# Altium PCB 整板_大板_one.PcbDoc (part 2 of 3)
Units mil, origin at the board's own origin, x right, y up, seen from the top; angles counter-clockwise.
Board outline 19488.19 x 7322.84 mil, 2 copper layers (Top Layer, Bottom Layer); 297 components, 275 nets, 1817 pads, 745 vias.
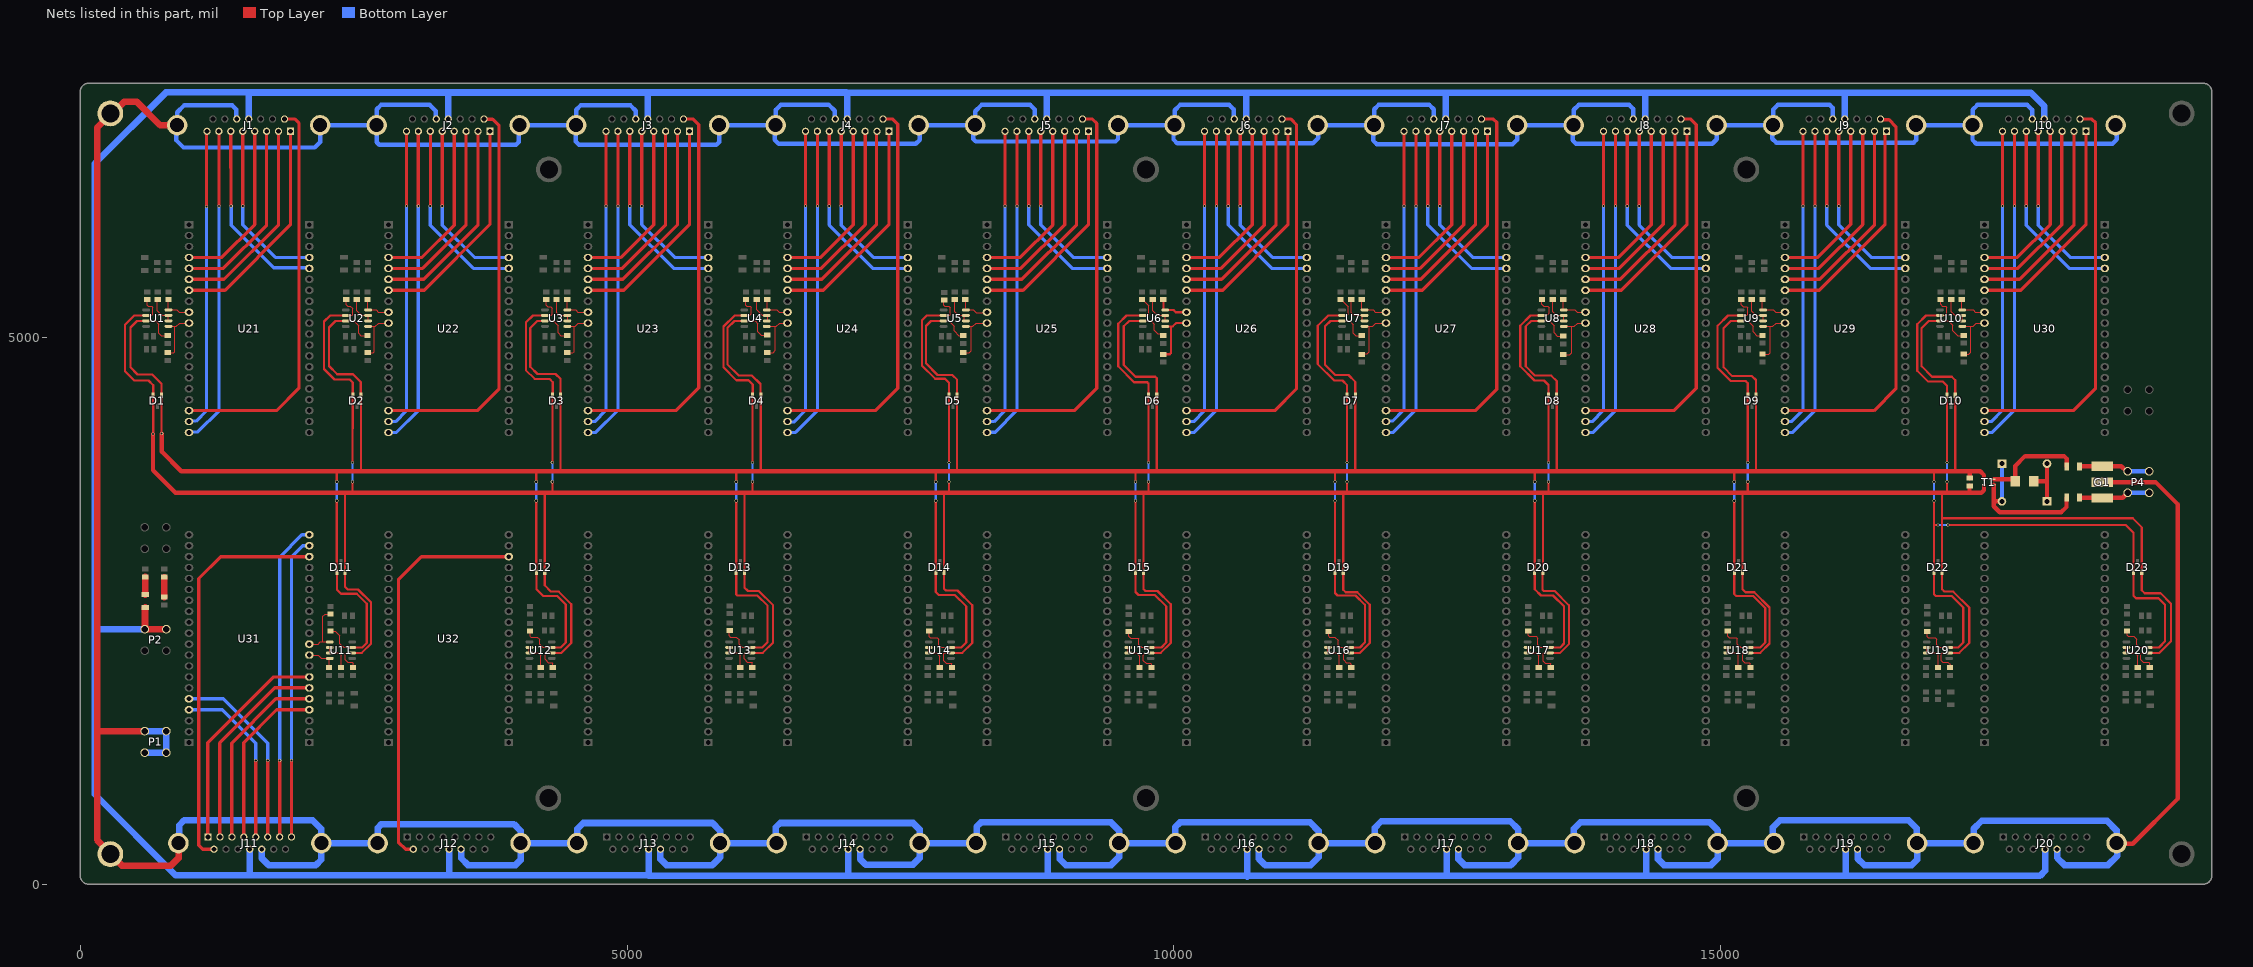
[diagram p2: the nets of this part, all layers, seen from the top]

## Via types
v1: diameter 25, hole 20, Top Layer to Bottom Layer, 462 vias
v2: diameter 30, hole 20, Top Layer to Bottom Layer, 281 vias
v3: diameter 40, hole 25, Top Layer to Bottom Layer, 1 vias
v4: diameter 25, hole 15, Top Layer to Bottom Layer, 1 vias

## Nets (pads, with @x,y where several pads share a name; then routed paths per layer and width w, separated by ;. In a path a pad name is that pad's centre, name@x,y a point inside that pad or via, vN(x,y) a via of type N, cw(c..) or ccw(c..) an arc to the next point about the centre after c; other vN are vias at no path point) (continued)
IN+: J1.12 J2.12 J3.12 J4.12 J5.12 J6.12 J7.12 J8.12 J9.12 J10.12 J11.12 J12.12 J13.12 J14.12 J15.12 J16.12 J17.12 J18.12 J19.12 J20.12 P2.2 RD2.2 | length 47564.4
  Top Layer w60: RD2.2@595,2530 592.78,2527.78 592.78,2333.86 P2.2@590.55,2331.63 P2.2@787.4,2331.63
  Bottom Layer w60: P2.2@590.55,2331.63 135.37,2331.63 133,2334 ; J1.12@1540.89,6995 1540.89,7238 3364.78,7238 ; 1540.89,7239 784,7239 133,6588 133,2725.81 133,2334 ; J11.12@1550.95,320 1550.95,81 ; J2.12@3364.78,6995 3364.78,7238 ; J12.12@3373,320 3373,81 ; J3.12@5188.67,6995 5188.67,7238 ; 5196.89,78 7020.78,78 ; J13.12@5196.89,320 5196.89,81 3373,81 ; 7003.11,7238 5188.67,7238 ; J4.12@7012.56,6995 7012.56,7237 8836.44,7237 ; J14.12@7020.78,320 7020.78,78 ; J5.12@8836.44,6995 8836.44,7237 ; J15.12@8844.67,320 8844.67,78 7020.78,78 ; 8845,76 10646.11,76 ; J6.12@10660.33,6995 10660.33,7237 ; 10668.55,70 J16.12@10668.55,320 ; 10674.55,76 12492.44,76 ; J7.12@12484.22,6995 12484.22,7237 ; J17.12@12492.44,320 12492.44,76 ; J8.12@14308.11,6995 14308.11,7237 ; J18.12@14316.33,320 14316.33,76 ; J9.12@16132,6995 16132,7237 ; J19.12@16140.22,320 16140.22,76 ; J10.12@17955.89,6995 17957.14,6996.25 17957.14,7112.14 17832.28,7237 16132,7237 ; J20.12@17964.11,320 17964.11,124.11 17916,76 16140.22,76 ; 133,2334 133,822 874,81 1550.95,81 ; 1550.95,81 3373,81 ; 3364.78,7238 5188.67,7238 ; 8836.44,7237 10660.33,7237 ; 10660.33,7237 12484.22,7237 ; 12484.22,7237 14308.11,7237 ; 12492.44,76 14316.33,76 ; 14308.11,7237 16132,7237 ; 14316.33,76 16140.22,76
Net1_A: 1.A RD1.1 | length 181.3
  Top Layer w60: RD1.1@770,2623.7 1.A@770,2804.96
Net2_A: 2.A RD2.1 | length 162.6
  Top Layer w60: RD2.1@595,2647.32 2.A@595,2809.96
NetD16_1: D16.1 D17.1 D18.2 | length 466.3
  Top Layer w40: D16.1@17859.92,3685 17981.18,3685 ; D18.2@17981.18,3500 17981.18,3685 ; D17.1@17981.18,3845 17981.18,3685
NetD16_2: D16.2 R76.1 T1.4 | length 931.4
  Top Layer w40: T1.4@17495.28,3702.17 17673.46,3702.17 D16.2@17690.63,3685 17690.63,3824.09 17780.91,3914.37 18136.84,3914.37 18160.28,3890.94 18160.28,3819.71 R76.1@18161.61,3818.37
NetD17_2: D17.2 D18.1 R77.1 T1.3 | length 1408.9
  Top Layer w40: T1.3@17495.28,3650.98 17495.28,3500 ; D18.1@17569.37,3500 17495.28,3500 ; R77.1@18161.61,3534.78 18159.37,3532.54 18159.37,3449.09 18110.28,3400 17550.28,3400 17495.28,3455 17495.28,3500
  Bottom Layer w40: D18.1@17569.37,3500 D17.2@17569.37,3845
NetR2_1: R2.1 U1.2 U1.3 | length 271
  Top Layer w10: R2.1@705,5345 705,5245 750,5200 U1.3@807.36,5200 U1.2@807.36,5150
NetR5_1: R5.1 U2.2 U2.3 | length 271
  Top Layer w10: R5.1@2530,5345 2530,5245 2575,5200 U2.3@2632.36,5200 U2.2@2632.36,5150
NetR8_1: R8.1 U3.2 U3.3 | length 282.7
  Top Layer w10: R8.1@4355,5344.96 4355,5225 4380,5200 4457.36,5200 U3.2@4457.36,5150
NetR11_1: R11.1 U4.2 U4.3 | length 268.1
  Top Layer w10: R11.1@6185,5345 6185,5250 6235,5200 6287.36,5200 U4.2@6287.36,5150
NetR14_1: R14.1 U5.2 U5.3 | length 267.4
  Top Layer w10: R14.1@7979,5344.96 7995,5328.96 7995,5235 8030,5200 8081.36,5200 U5.2@8081.36,5150
NetR27_1: R27.1 U6.2 U6.3 | length 283.5
  Top Layer w10: R27.1@9805,5344.96 9805,5245 9850,5200 U6.3@9919.86,5200 U6.2@9919.86,5150
NetR30_1: R30.1 U7.2 U7.3 | length 282.7
  Top Layer w10: R30.1@11620,5344.96 11620,5225 11645,5200 U7.3@11722.36,5200 ; U7.2@11722.36,5145 11722.36,5150 U7.3@11722.36,5195
NetR33_1: R33.1 U8.2 U8.3 | length 277.6
  Top Layer w10: R33.1@13461.25,5344.96 13461.25,5233.75 13495,5200 U8.3@13563.61,5200 U8.2@13563.61,5150
NetR36_1: R36.1 U9.2 U9.3 | length 275.7
  Top Layer w10: R36.1@15283.12,5344.96 15283.12,5236.88 15320,5200 U9.3@15385.49,5200 U9.2@15385.49,5150
NetR39_1: R39.1 U10.2 U10.3 | length 276.8
  Top Layer w10: R39.1@17105,5344.96 17105,5235 17140,5200 U10.3@17207.36,5200 U10.2@17207.36,5150
NetR52_1: R52.1 U11.2 U11.3 | length 275.6
  Top Layer w10: U11.2@2282.64,2165 U11.3@2282.64,2115 2365,2115 2385,2095 R52.1@2385,1980.04
NetR55_1: R55.1 U12.2 U12.3 | length 275.6
  Top Layer w10: U12.2@4107.64,2165 U12.3@4107.64,2115 4190,2115 4210,2095 R55.1@4210,1980.04
NetR58_1: R58.1 U13.2 U13.3 | length 275.6
  Top Layer w10: U13.2@5932.64,2165 U13.3@5932.64,2115 6015,2115 6035,2095 R58.1@6035,1980.04
NetR61_1: R61.1 U14.2 U14.3 | length 269.7
  Top Layer w10: U14.2@7757.64,2165 U14.3@7757.64,2115 7830,2115 7860,2085 R61.1@7860,1980.04
NetR64_1: R64.1 U15.2 U15.3 | length 269.7
  Top Layer w10: U15.2@9582.64,2165 U15.3@9582.64,2115 9655,2115 9685,2085 R64.1@9685,1980.04
NetR79_1: R79.1 U16.2 U16.3 | length 272.7
  Top Layer w10: U16.2@11407.64,2165 U16.3@11407.64,2115 11485,2115 11510,2090 R79.1@11510,1980.04
NetR82_1: R82.1 U17.2 U17.3 | length 272.7
  Top Layer w10: U17.2@13232.64,2165 U17.3@13232.64,2115 13310,2115 13335,2090 R82.1@13335,1980.04
NetR85_1: R85.1 U18.2 U18.3 | length 278.5
  Top Layer w10: U18.2@15057.64,2165 U18.3@15057.64,2115 15145,2115 15160,2100 R85.1@15160,1980.04
NetR88_1: R88.1 U19.2 U19.3 | length 281.5
  Top Layer w10: U19.2@16882.64,2165 U19.3@16882.64,2115 16975,2115 16985,2105 R88.1@16985,1980.04
NetR91_1: R91.1 U20.2 U20.3 | length 272.7
  Top Layer w10: U20.2@18707.64,2165 U20.3@18707.64,2115 18785,2115 18810,2090 R91.1@18810,1980.04
PE: G1.2 J1.13 J1.16 J1.17 J2.13 J2.16 J2.17 J3.13 J3.16 J3.17 J4.13 J4.16 J4.17 J5.13 J5.16 J5.17 J6.13 J6.16 J6.17 J7.13 J7.16 J7.17 J8.13 J8.16 J8.17 J9.13 J9.16 J9.17 J10.13 J10.16 J10.17 J11.13 J11.16 J11.17 J12.13 J12.16 J12.17 J13.13 J13.16 J13.17 J14.13 J14.16 J14.17 J15.13 J15.16 J15.17 J16.13 J16.16 J16.17 J17.13 J17.16 J17.17 J18.13 J18.16 J18.17 J19.13 J19.16 J19.17 J20.13 J20.16 J20.17 P1.1 P1.2 pad.0@275.59,275.59 pad.0@275.59,7047.24 | length 71715.9
  Top Layer w40: pad.0@275.59,7035.59 pad.0@275.59,7047.24 pad.0@294.17,7065.83 ; G1.2@18485.28,3676.57 18973.43,3676.57 19175,3475 19175,780 18765,370 18623.75,370 J20.16@18617.85,375.91
  Top Layer w60: pad.0@275.59,7035.59 155,6915 155,1410 ; pad.0@294.17,7065.83 315.83,7065.83 405,7155 515,7155 730.91,6939.09 J1.16@887.15,6939.09 ; P1.2@590.55,1399.96 165.04,1399.96 155,1410 ; J11.17@897.71,375.91 900,373.62 900,240 830,170 381.18,170 pad.0@275.59,275.59 275.59,284.41 155,405 155,1410
  Bottom Layer w40: J1.13@1431.83,6995 1426.76,7000.08 1426.76,7083.24 1390,7120 950,7120 887.15,7057.15 J1.16@887.15,6939.09 880,6931.94 880,6800 945,6735 2143.73,6735 2194.12,6785.39 J1.17@2194.12,6939.09 J2.16@2711.04,6939.09 ; J2.13@3255.72,6995 3250.65,7000.08 3250.65,7069.35 3195,7125 2750,7125 2711.04,7086.04 J2.16@2711.04,6939.09 ; J3.13@5079.61,6995 5079.61,7071.57 5031.18,7120 4575,7120 4534.93,7079.93 J3.16@4534.93,6939.09 ; J4.13@6903.5,6995 6898.42,7000.08 6898.42,7071.57 6844.99,7125 6405,7125 6358.82,7078.82 J4.16@6358.82,6939.09 ; J5.13@8727.39,6995 8727.39,7082.61 8685,7125 8240,7125 8182.71,7067.71 J5.16@8182.71,6939.09 ; J6.13@10551.28,6995 10546.2,7000.08 10546.2,7083.8 10505,7125 10055,7125 10006.59,7076.59 J6.16@10006.59,6939.09 ; J7.13@12375.17,6995 12375,6995.17 12375,7085 12335,7125 11870,7125 11830.48,7085.48 J7.16@11830.48,6939.09 ; J8.13@14199.06,6995 14199.06,7088.27 14162.32,7125 13700,7125 13654.37,7079.37 J8.16@13654.37,6939.09 ; J9.13@16022.95,6995 16022.95,7097.05 15995,7125 15520,7125 15478.26,7083.26 J9.16@15478.26,6939.09 ; J10.13@17846.83,6995 17845,6996.83 17845,7080 17800,7125 17345,7125 17302.15,7082.15 J10.16@17302.15,6939.09 ; J10.17@18609.12,6939.09 18620,6928.22 18620,6810 18580,6770 17335,6770 17300,6805 17300,6936.94 J10.16@17302.15,6939.09 ; J2.16@2711.04,6939.09 2711.04,6783.96 2735,6760 3985,6760 4010.39,6785.39 4010.39,6931.48 J2.17@4018.01,6939.09 J3.16@4534.93,6939.09 ; J3.16@4534.93,6939.09 4530,6934.17 4530,6790 4560,6760 5816.51,6760 5841.9,6785.39 J3.17@5841.9,6939.09 J4.16@6358.82,6939.09 ; J4.16@6358.82,6939.09 6350,6930.28 6350,6805 6385,6770 7640,6770 7675,6805 7675,6929.88 J4.17@7665.79,6939.09 J5.16@8182.71,6939.09 ; J5.16@8182.71,6939.09 8165,6921.39 8165,6813.43 8188.43,6790 9465,6790 9488.43,6813.43 9488.43,6937.85 J5.17@9489.68,6939.09 J6.16@10006.59,6939.09 ; J6.16@10006.59,6939.09 9995,6927.5 9995,6808.43 10028.43,6775 11270,6775 11320,6825 11320,6932.66 J6.17@11313.57,6939.09 J7.16@11830.48,6939.09 ; J7.16@11830.48,6939.09 11820,6928.61 11820,6800 11855,6765 13095,6765 13137.46,6807.46 J7.17@13137.46,6939.09 J8.16@13654.37,6939.09 ; J8.16@13654.37,6939.09 13645,6929.72 13645,6800 13675,6770 14920,6770 14961.35,6811.35 J8.17@14961.35,6939.09 J9.16@15478.26,6939.09 ; J9.16@15478.26,6939.09 15470,6930.83 15470,6815 15505,6780 16761.8,6780 16785.23,6803.43 J9.17@16785.23,6939.09 J10.16@17302.15,6939.09
  Bottom Layer w60: P1.1@590.55,1203.11 P1.1@787.4,1203.11 P1.2@787.4,1399.96 P1.2@590.55,1399.96 ; J11.17@897.71,375.91 905,383.19 905,540 950,585 2125,585 2204.68,505.32 J11.16@2204.68,375.91 ; J11.13@1660,320 1658.75,318.75 1658.75,238.75 1722.5,175 2155,175 2204.68,224.68 J11.16@2204.68,375.91 ; J12.13@3482.05,320 3483.3,318.75 3483.3,236.7 3545,175 3980,175 4026.74,221.74 J12.16@4026.74,375.91 ; J13.13@5305.94,320 5305,319.06 5305,230 5360,175 5780,175 5850.63,245.63 J13.16@5850.63,375.91 ; J14.13@7129.83,320 7130,319.83 7130,230 7180,180 7615,180 7674.52,239.52 J14.16@7674.52,375.91 ; J15.13@8953.72,320 8954.97,318.75 8954.97,230.03 9010,175 9425,175 9498.4,248.4 J15.16@9498.4,375.91 ; J16.13@10777.61,320 10776.36,318.75 10776.36,231.36 10832.72,175 11250,175 11322.29,247.29 J16.16@11322.29,375.91 ; J17.13@12601.5,320 12600.25,318.75 12600.25,230.25 12655.5,175 13080,175 13146.18,241.18 J17.16@13146.18,375.91 ; J18.13@14425.39,320 14425,319.61 14425,230 14480,175 14910,175 14970.07,235.07 J18.16@14970.07,375.91 ; J19.13@16249.28,320 16250,319.28 16250,235 16310,175 16745,175 16793.96,223.96 J19.16@16793.96,375.91 ; J20.13@18073.16,320 18074.41,318.75 18074.41,240.59 18140,175 18540,175 18625,260 18625,368.75 J20.16@18617.85,375.91 18617.85,492.15 18530,580 17385,580 17310,505 17310,376.78 J20.17@17310.88,375.91 J19.16@16793.96,375.91 ; J11.16@2204.68,375.91 J12.17@2719.77,375.91 2720,376.14 2720,514.85 2755.15,550 3965,550 4026.74,488.26 J12.16@4026.74,375.91 ; J12.16@4026.74,375.91 J13.17@4543.65,375.91 4545,377.25 4545,505 4600,560 5780,560 5850.63,489.37 J13.16@5850.63,375.91 ; J13.16@5850.63,375.91 J14.17@6367.54,375.91 6360,383.45 6360,520 6400,560 7615,560 7674.52,500.48 J14.16@7674.52,375.91 ; J14.16@7674.52,375.91 J15.17@8191.43,375.91 8195,379.47 8195,525 8235,565 9425,565 9498.4,491.6 J15.16@9498.4,375.91 ; J15.16@9498.4,375.91 J16.17@10015.32,375.91 10010,381.23 10010,520 10055,565 11245,565 11322.29,487.71 J16.16@11322.29,375.91 ; J16.16@11322.29,375.91 J17.17@11839.21,375.91 11835,380.11 11835,515 11895,575 13075,575 13146.18,503.82 J17.16@13146.18,375.91 ; J17.16@13146.18,375.91 J18.17@13663.1,375.91 13655,384 13655,505 13715,565 14900,565 14970.07,494.93 J18.16@14970.07,375.91 ; J18.16@14970.07,375.91 J19.17@15486.99,375.91 15475,387.89 15475,520 15540,585 16715,585 16790.15,509.85 16790.15,379.72 J19.16@16793.96,375.91
SerialA: G1.3 P4.2 R77.2 | length 655.6
  Top Layer w40: R77.2@18278.94,3534.78 18280.87,3532.84 18672.84,3532.84 P4.2@18718.15,3578.15
  Bottom Layer w40: P4.2@18718.15,3578.15 P4.2@18915,3578.15
SerialB: G1.1 P4.1 R76.2 | length 657.2
  Top Layer w40: R76.2@18278.94,3818.37 18280.87,3820.31 18483.34,3820.31 G1.1@18485.28,3822.24 18660.42,3822.24 18704.52,3778.15 18715,3778.15 P4.1@18718.15,3775
  Bottom Layer w40: P4.1@18718.15,3775 P4.1@18915,3775
SerialPortA: D1.2 D2.2 D3.2 D4.2 D5.2 D6.2 D7.2 D8.2 D9.2 D10.2 D11.2 D12.2 D13.2 D14.2 D15.2 D19.2 D20.2 D21.2 D22.2 D23.2 R16.2 R18.2 R20.2 R22.2 R24.2 R41.2 R43.2 R45.2 R47.2 R49.2 R66.2 R68.2 R70.2 R72.2 R74.2 R93.2 R95.2 R97.2 R99.2 R101.2 RP1.2 T1.2 U1.6 U2.6 U3.6 U4.6 U5.6 U6.6 U7.6 U8.6 U9.6 U10.6 U11.6 U12.6 U13.6 U14.6 U15.6 U16.6 U17.6 U18.6 U19.6 U20.6 | length 60291.1
  Top Layer w10: U1.6@602.64,5200 655,5200 665,5210 665,5270 652.5,5282.5 622.5,5282.5 612.89,5292.11 R16.2@612.89,5345 R16.2@618.99,5345 ; U2.6@2427.64,5200 2484.14,5200 2490,5205.86 2490,5265 2470,5285 2445,5285 2432.89,5297.11 R18.2@2432.89,5345 R18.2@2438.99,5345 ; U11.6@2487.36,2115 2435,2115 2425,2105 2425,2050 2446.45,2028.55 2485.59,2028.55 2495,2019.14 R66.2@2495,1980.04 ; U3.6@4249.51,5200 4305,5200 4315,5210 4315,5265 4300,5280 4275,5280 4260,5295 R20.2@4260,5344.92 R20.2@4266.1,5344.92 ; U12.6@4312.36,2115 4265,2115 4250,2100 4250,2055 4280,2025 4314.14,2025 4320,2019.14 R68.2@4320,1980.04 ; U4.6@6071.39,5200 6073.21,5201.82 6121.82,5201.82 6135,5215 6135,5274.14 6124.14,5285 6095,5285 6085,5295 6085,5342.11 R22.2@6087.89,5345 R22.2@6093.99,5345 ; U13.6@6137.36,2115 6085,2115 6070,2100 6070,2060 6100,2030 6139.14,2030 6145,2024.14 R70.2@6145,1980.04 ; R24.2@7881.89,5333.11 R24.2@7881.89,5344.96 ; U5.6@7893.26,5200 7949.14,5200 7955,5205.86 7955,5270 7940,5285 7905,5285 7895,5295 7895,5336.45 R24.2@7898.51,5339.96 ; U14.6@7962.36,2115 7905,2115 7895,2105 7895,2045 7920,2020 7964.14,2020 7970,2014.14 R72.2@7970,1980.04 ; R41.2@9707.89,5344.96 9713.99,5344.96 9770,5288.95 9770,5210 9760,5200 U6.6@9715.14,5200 ; U15.6@9787.36,2115 9784.29,2111.93 9736.93,2111.93 9720,2095 9720,2045 9745,2020 9789.14,2020 9795,2014.14 R74.2@9795,1980.04 ; U7.6@11517.64,5200 U7.6@11537.01,5200 11585,5200 11595,5210 11595,5278.95 11528.99,5344.96 R43.2@11522.89,5344.96 ; U16.6@11612.36,2115 11560,2115 11550,2105 11550,2050 11576,2024 11608,2024 11620,2012 R93.2@11620,1980.04 ; U8.6@13358.89,5200 13410,5200 13430,5220 13430,5270 13415,5285 13380,5285 13364.14,5300.86 R45.2@13364.14,5344.96 ; U17.6@13437.36,2115 13385,2115 13375,2105 13375,2040 13395,2020 13439.14,2020 13445,2014.14 R95.2@13445,1980.04 ; U9.6@15180.76,5200 15235,5200 15245,5210 15245,5270 15235,5280 15202.03,5280 15186.01,5296.01 R47.2@15186.01,5344.96 ; U18.6@15262.36,2115 15205.86,2115 15200,2109.14 15200,2045 15220,2025 15260,2025 15270,2015 R97.2@15270,1980.04 ; U10.6@17002.64,5200 17050,5200 17065,5215 17065,5275 17055,5285 17025,5285 17007.89,5302.11 R49.2@17007.89,5344.96 ; U19.6@17087.36,2115 17025,2115 17015,2105 17015,2045 17029,2031 17074,2031 17095,2010 R99.2@17095,1980.04 ; U20.6@18912.36,2115 18845.86,2115 18840,2109.14 18840,2050 18860,2030 18910,2030 18920,2020 R101.2@18920,1980.04
  Top Layer w20: U1.6@602.64,5200 495,5200 410,5115 410,4690 495,4605 625,4605 667.6,4562.4 D1.2@667.6,4469.21 v2@667.6,4117.6 ; 2425,3578.15 2422.4,3575.55 D11.2@2422.4,2850.79 2422.4,2717.6 2445,2695 2540,2695 2660,2575 2660,2200 2575,2115 U11.6@2487.36,2115 ; U2.6@2427.64,5200 2285,5200 2230,5145 2230,4710 2325,4615 2465,4615 2492.6,4587.4 D2.2@2492.6,4469.21 v2@2490.04,3855 ; 2490,3578.15 2490.2,3578.35 v2(2490.2,3680) ; U3.6@4249.51,5200 4140,5200 4075,5135 4075,4700 4155,4620 4290,4620 4320,4590 4320,4471.61 D3.2@4317.6,4469.21 v2@4317.6,3855.65 ; 4250,3578.15 4247.4,3575.55 D12.2@4247.4,2850.79 4247.4,2732.6 4305,2675 4375,2675 4490,2560 4490,2205 4400,2115 U12.6@4312.36,2115 ; v2(4316.95,3680) 4316.95,3585.1 4315,3583.15 4320,3578.15 ; v2(4316.95,3855) v2@4317.6,3855.65 ; v2@4317.6,3855 v2@4317.6,3855.65 ; 6070,3578.15 6072.4,3575.75 D13.2@6072.4,2850.79 6072.4,2712.6 6105,2680 6205,2680 6335,2550 6335,2210 6240,2115 U13.6@6137.36,2115 ; U4.6@6071.39,5200 5984,5200 5882,5098 5882,4725 5999,4608 6110,4608 6148.72,4569.28 6148.72,4470.33 D4.2@6147.6,4469.21 v2(6147.6,3855) ; v2(6147.6,3680) 6147.6,3580.55 6150,3578.15 ; U5.6@7876.64,5200 7768,5200 7767,5199 7741,5199 7695,5153 7695,4743 7817,4621 7906,4621 7942.6,4584.4 D5.2@7942.6,4469.21 v2(7942.6,3855) ; 7905,3578.15 7897.4,3570.55 D14.2@7897.4,2850.79 7897.4,2702.6 7915,2685 8020,2685 8155,2550 8155,2205 8065,2115 U14.6@7962.36,2115 ; v2(7942.6,3680) 7942.6,3580.55 7945,3578.15 ; U6.6@9702.64,5200 9565,5200 9490,5125 9490,4735 9635,4590 9755,4590 9767.6,4577.4 D6.2@9767.6,4469.21 v2@9767.6,3857.6 ; 9725,3578.15 9722.4,3575.55 D15.2@9722.4,2850.79 9722.4,2697.6 9740,2680 9850,2680 9970,2560 9970,2205 9880,2115 U15.6@9787.36,2115 ; v2(9767.6,3680) 9767.6,3585.55 9775,3578.15 ; U7.6@11517.64,5200 11410,5200 11315,5105 11315,4755 11465,4605 11540,4605 11582.6,4562.4 D7.2@11582.6,4469.21 v2(11582.6,3855) ; 11550,3578.15 11547.4,3575.55 D19.2@11547.4,2850.79 11547.4,2692.6 11570,2670 11675,2670 11790,2555 11790,2205 11700,2115 U16.6@11612.36,2115 ; 11580,3578.15 11575,3583.15 11582.6,3590.75 v2(11582.6,3680) ; U8.6@13358.89,5200 13260,5200 13165,5105 13165,4735 13295,4605 13383.28,4605 13423.85,4564.44 D8.2@13423.85,4469.21 v2(13423.85,3855) ; 13370,3578.15 13372.4,3575.75 D20.2@13372.4,2850.79 13370,2848.39 13370,2691.72 13381.72,2680 13480,2680 13610,2550 13610,2195 13530,2115 U17.6@13437.36,2115 ; v2(13423.85,3680) 13423.85,3579.3 13425,3578.15 ; U9.6@15180.76,5200 15065,5200 14970,5105 14970,4720 15090,4600 15225,4600 15245.72,4579.28 D9.2@15245.72,4469.21 v2(15245.72,3855.72) ; 15190,3578.15 15197.4,3570.75 D21.2@15197.4,2850.79 15197.4,2697.6 15225,2670 15305,2670 15445,2530 15445,2200 15360,2115 U18.6@15262.36,2115 ; 15245,3578.15 v2(15245,3680) ; U10.6@17002.64,5200 16875,5200 16795,5120 16795,4695 16895,4595 17030,4595 17067.6,4557.4 D10.2@17067.6,4469.21 v2(17067.6,3855.72) ; 17010,3578.15 17022.4,3565.75 17022.4,3345 ; v2(17067.6,3680) 17067.6,3580.55 17070,3578.15 ; U19.6@17087.36,2115 17180,2115 17270,2205 17270,2530 17125,2675 17045,2675 17022.4,2697.6 D22.2@17022.4,2850.79 17022.4,3345 ; U20.6@18912.36,2115 19010,2115 19115,2220 19115,2565 19020,2660 18875,2660 18847.4,2687.6 D23.2@18847.4,2850.79 18847.4,3262.6 18765,3345 17022.4,3345
  Top Layer w40: v2(666.3,4116.3) 666.3,3783.7 871.85,3578.15 2425,3578.15 2490,3578.15 4250,3578.15 4320,3578.15 6070,3578.15 6150,3578.15 7905,3578.15 7945,3578.15 9725,3578.15 9775,3578.15 11550,3578.15 11580,3578.15 13370,3578.15 13425,3578.15 15190,3578.15 15245,3578.15 17010,3578.15 17070,3578.15 17270,3578.15 ; RP1.2@17275,3641.54 17272.83,3641.54 17272.83,3578.15 17381.29,3578.15 17404.72,3601.58 17404.72,3640
  Bottom Layer w20: v2(2490.2,3680) v2(2490.2,3855) ; v2@4316.95,3681.95 v2(4316.95,3855) ; v2(6147.6,3680) v2(6147.6,3855) ; v2(7942.6,3680) v2(7942.6,3855) ; v2(9767.6,3680) v2(9767.6,3855) ; v2(11582.6,3680) v2(11582.6,3855) ; v2(13423.85,3680) v2(13423.85,3855) ; v2(15245,3680) 15245.72,3680.72 v2(15245.72,3855.72) ; v2(17067.6,3680) v2(17067.6,3855.72)
SerialPortB: D1.1 D2.1 D3.1 D4.1 D5.1 D6.1 D7.1 D8.1 D9.1 D10.1 D11.1 D12.1 D13.1 D14.1 D15.1 D19.1 D20.1 D21.1 D22.1 D23.1 R17.1 R19.1 R21.1 R23.1 R25.1 R42.1 R44.1 R46.1 R48.1 R50.1 R67.1 R69.1 R71.1 R73.1 R75.1 R94.1 R96.1 R98.1 R100.1 R102.1 RP1.1 T1.1 U1.7 U2.7 U3.7 U4.7 U5.7 U6.7 U7.7 U8.7 U9.7 U10.7 U11.7 U12.7 U13.7 U14.7 U15.7 U16.7 U17.7 U18.7 U19.7 U20.7 | length 60310.2
  Top Layer w10: U1.7@602.64,5150 690,5150 720,5120 720,5035 739.92,5015.08 R17.1@802.11,5015.08 ; R67.1@2285,2313.9 2331.1,2313.9 2375,2270 2375,2200 2410,2165 U11.7@2487.36,2165 ; U2.7@2427.64,5150 2500,5150 2545,5105 2545,5035 2564.92,5015.08 R19.1@2627.11,5015.08 ; R69.1@4112.89,2313.9 4112.89,2267.11 4120,2260 4180,2260 4200,2240 4200,2195 4230,2165 U12.7@4312.36,2165 ; U3.7@4252.64,5150 4325,5150 4370,5105 4370,5040 4394.92,5015.08 R21.1@4452.11,5015.08 ; R71.1@5937.89,2318.9 5935,2316.01 5935,2270 5945,2260 6000,2260 6025,2235 6025,2195 6055,2165 U13.7@6137.36,2165 ; U4.7@6082.64,5150 6170,5150 6195,5125 6195,5050 6224.92,5020.08 R23.1@6282.11,5020.08 ; R73.1@7762.89,2313.9 7762.89,2262.11 7770,2255 7835,2255 7850,2240 7850,2185 7870,2165 U14.7@7962.36,2165 ; U5.7@7876.64,5150 U5.7@7893.26,5150 7942,5150 7989,5103 7989,5058 8031.92,5015.08 R25.1@8074.11,5015.08 ; R75.1@9587.89,2308.9 9587.89,2267.11 9605,2250 9674.14,2250 9680,2244.14 9680,2190 9705,2165 U15.7@9787.36,2165 ; U6.7@9702.64,5150 U6.7@9715.14,5150 9790,5150 9820,5120 9820,5065 9852.09,5032.91 9884.28,5032.91 R42.1@9902.11,5015.08 ; R94.1@11412.89,2309.96 11412.89,2265.86 11418.75,2260 11470,2260 11500,2230 11500,2185 11520,2165 U16.7@11612.36,2165 ; U7.7@11517.64,5150 U7.7@11537.01,5150 11605,5150 11640,5115 11640,5035 11659.92,5015.08 R44.1@11717.11,5015.08 ; R96.1@13237.89,2314.96 13237.89,2277.11 13250,2265 13310,2265 13325,2250 13325,2190 13350,2165 U17.7@13437.36,2165 ; U8.7@13358.89,5150 13430,5150 13475,5105 13475,5040 13503.9,5011.1 R46.1@13558.36,5011.1 ; R98.1@15062.89,2314.96 15062.89,2267.11 15075,2255 15140,2255 15150,2245 15150,2195 15180,2165 U18.7@15262.36,2165 ; U9.7@15180.76,5150 15245,5150 15295,5100 15295,5050 15328.9,5016.1 R48.1@15380.24,5016.1 ; R100.1@16887.89,2309.96 16887.89,2262.11 16895,2255 16960,2255 16975,2240 16975,2190 17000,2165 U19.7@17087.36,2165 ; U10.7@17002.64,5150 17080,5150 17120,5110 17120,5060 17165,5015 17218.9,5015 R50.1@17220,5016.1 ; R102.1@18712.89,2314.96 18712.89,2277.11 18725,2265 18775,2265 18800,2240 18800,2190 18825,2165 U20.7@18912.36,2165
  Top Layer w20: U1.7@602.64,5150 520,5150 460,5090 460,4725 525,4660 660,4660 742.4,4577.6 D1.1@742.4,4469.21 v2@742.4,4127.6 ; v2(2345,3505) 2345,2853.39 D11.1@2347.6,2850.79 2347.6,2692.4 2385,2655 2530,2655 2620,2565 2620,2205 2580,2165 U11.7@2487.36,2165 ; v2(2345,3680) 2345,3775 ; U2.7@2427.64,5150 2335,5150 2275,5090 2275,4738 2350,4663 2494,4663 2565,4592 2565,4471.61 D2.1@2567.4,4469.21 2567.4,3777.6 2570,3775 ; v2(4170,3505) 4170,2853.39 D12.1@4172.6,2850.79 ; v2(4170,3680) 4170,3775 ; D12.1@4172.6,2845.79 4172.6,2697.4 4235,2635 4362.43,2635 4440,2557.43 4440,2210 4395,2165 U12.7@4312.36,2165 ; U3.7@4252.64,5150 U3.7@4249.51,5150 4180,5150 4115,5085 4115,4731 4181,4665 4346.16,4665 4392.4,4618.76 4392.4,3777.4 4390,3775 ; 5995,3775 5997.6,3772.4 v2(5997.6,3680) ; D13.1@5997.6,2850.79 v2(5997.6,3505) ; D13.1@5998.28,2850.79 5998.28,2651.72 6010,2640 6190,2640 6285,2545 6285,2215 6235,2165 U13.7@6137.36,2165 ; U4.7@6082.64,5150 U4.7@6071.39,5150 5982,5150 5917,5085 5917,4754 6020,4651 6141,4651 6219,4573 6219,4472.61 D4.1@6222.4,4469.21 6222.4,3777.6 6225,3775 ; 7820,3775 7822.6,3772.4 v2(7822.6,3680) ; v2(7822.6,3505) D14.1@7822.6,2850.79 7822.6,2672.4 7850,2645 7995,2645 8100,2540 8100,2210 8055,2165 U14.7@7962.36,2165 ; U5.7@7876.64,5150 7778,5150 7732,5104 7732,4762.57 7838.57,4656 7973,4656 8017.4,4611.6 D5.1@8017.4,4469.21 8017.4,3777.4 8015,3775 ; 9645,3775 9647.6,3772.4 v2(9647.6,3680) ; v2@9647.6,3502.6 D15.1@9647.6,2850.79 9647.6,2672.4 9675,2645 9825,2645 9930,2540 9930,2210 9885,2165 U15.7@9787.36,2165 ; U6.7@9702.64,5150 9590,5150 9541,5101 9541,4747 9648,4640 9828.28,4640 9842.4,4625.88 D6.1@9842.4,4469.21 9842.4,3777.4 9840,3775 ; v2(11472.6,3505) D19.1@11472.6,2850.79 11472.6,2662.4 11495,2640 11660,2640 11745,2555 11745,2210 11700,2165 U16.7@11612.36,2165 ; v2(11472.6,3680) 11472.6,3772.6 11475,3775 ; U7.7@11517.64,5150 11430,5150 11380,5100 11380,4750 11475,4655 11595,4655 11657.4,4592.6 D7.1@11657.4,4469.21 11657.4,3777.4 11655,3775 ; v2(13297.6,3505) D20.1@13297.6,2850.79 13297.6,2697.4 13355,2640 13465,2640 13565,2540 13565,2200 13530,2165 U17.7@13437.36,2165 ; v2(13297.6,3680) 13297.6,3772.6 13300,3775 ; U8.7@13358.89,5150 13265,5150 13215,5100 13215,4735 13300,4650 13450,4650 13498.65,4601.35 D8.1@13498.65,4469.21 13498.65,3778.65 13495,3775 ; 15120,3775 15122.44,3772.56 v2(15122.44,3680) ; v2@15122.44,3502.56 15122.6,3502.4 D21.1@15122.6,2850.79 15122.6,2652.4 15140,2635 15295,2635 15405,2525 15405,2210 15360,2165 U18.7@15262.36,2165 ; U9.7@15180.76,5150 15090,5150 15025,5085 15025,4725 15105,4645 15285,4645 15320.53,4609.47 D9.1@15320.53,4469.21 15320.53,3780.53 15315,3775 ; 16945,3775 16947.6,3772.4 v2(16947.6,3680) ; v2(16947.6,3505) 16947.6,3285 ; v2(16985,3285) 16947.6,3285 ; U10.7@17002.64,5150 16900,5150 16835,5085 16835,4735 16930,4640 17110,4640 17142.4,4607.6 D10.1@17142.4,4469.21 17142.4,3777.6 ; v2(17075,3285) 18700,3285 18772.6,3212.4 D23.1@18772.6,2850.79 18772.6,2637.4 18795,2615 19000,2615 19060,2555 19060,2220 19005,2165 U20.7@18912.36,2165 ; U19.7@17087.36,2165 17170,2165 17215,2210 17215,2530 17110,2635 16965,2635 16947.6,2652.4 D22.1@16947.6,2850.79 16947.6,3285
  Top Layer w40: v2(745,4120) 745,3955 925,3775 2345,3775 2570,3775 4170,3775 4390,3775 5995,3775 6225,3775 7820,3775 8015,3775 9645,3775 9840,3775 11475,3775 11655,3775 13300,3775 13495,3775 15120,3775 15315,3775 16945,3775 17275,3775 ; RP1.1@17275,3711.61 17275,3775 ; T1.1@17404.72,3710 17404.72,3740.28 17370,3775 17275,3775
  Bottom Layer w20: v2(2345,3505) v2(2345,3680) ; v2(4170,3505) v2(4170,3680) ; v2(5997.6,3505) v2(5997.6,3680) ; v2(7822.6,3505) v2(7822.6,3680) ; v2(9647.6,3505) v2(9647.6,3680) ; v2(11472.6,3505) v2(11472.6,3680) ; v2(13297.6,3505) v2(13297.6,3680) ; v2(15122.44,3505) v2(15122.44,3680) ; v2(16947.6,3505) v2(16947.6,3680) ; v2(16985,3285) v2(17075,3285)
U1_P1: J1.9 U21.18 | length 3661.4
  Top Layer w30: U21.18@995,4330 1795,4330 2000,4535 2000,6960 1965,6995 J1.9@1868.06,6995
U1_P2: J1.8 U21.19 | length 2756.3
  Top Layer w30: v2(1155,6195.92) 1155,6878.99 J1.8@1159.2,6883.19
  Bottom Layer w30: U21.19@995,4230 999.37,4234.37 1059.37,4234.37 1155,4330 v2(1155,6195.92)
U1_P3: J1.7 U21.20 | length 2911.8
  Top Layer w30: J1.7@1268.25,6883.19 1270,6881.44 v2(1270,6200.92)
  Bottom Layer w30: U21.20@995,4130 1000,4135 1075,4135 1270,4330 v2(1270,6200.92)
U1_P4: J1.6 U21.36 | length 1736.8
  Top Layer w30: J1.6@1377.31,6883.19 v2@1379.94,6200.92
  Bottom Layer w30: v2(1380,6200.92) 1380,6025 1770,5635 2090,5635 U21.36@2095,5630
U1_P5: J1.5 U21.37 | length 1602.8
  Top Layer w30: v2@1486.36,6200 v2(1486.36,6200.92) J1.5@1486.36,6883.19 J1.5@1486.36,6898.19
  Bottom Layer w30: v2(1486.36,6200.92) 1486.36,6028.64 1785,5730 U21.37@2095,5730
U1_P6: J1.4 U21.4 | length 1577.6
  Top Layer w30: U21.4@995,5730 1295,5730 1595.42,6030.42 J1.4@1595.42,6883.19
U1_P7: J1.3 U21.5 | length 1731.6
  Top Layer w30: U21.5@995,5630 1310,5630 1704.47,6024.47 J1.3@1704.47,6883.19
U1_P8: J1.2 U21.6 | length 1879.7
  Top Layer w30: U21.6@995,5530 1315,5530 1813.53,6028.53 J1.2@1813.53,6883.19
U1_P9: J1.1 U21.7 | length 2030.7
  Top Layer w30: U21.7@995,5430 1325,5430 1922.58,6027.58 J1.1@1922.58,6883.19
U1_RX: R3.1 U1.1 U21.10 | length 497.1
  Top Layer w10: R3.1@802.11,4860 855,4860 865,4870 865,5100 ; U1.1@807.36,5100 865,5100 ; U21.10@995,5130 910,5130 880,5100 865,5100
U1_TX: R1.1 U1.4 U21.9 | length 291
  Top Layer w10: R1.1@807.11,5345 807.36,5344.75 U1.4@807.36,5250 885,5250 905,5230 U21.9@995,5230
U2_P1: J2.9 U22.18 | length 3661.9
  Top Layer w30: U22.18@2818.89,4330 3630,4330 3830,4530 3830,6935 3770.21,6994.79 3692.16,6994.79 J2.9@3691.94,6995
U2_P2: J2.8 U22.19 | length 2758.8
  Top Layer w30: v2(2983.09,6200.92) J2.8@2983.09,6883.19
  Bottom Layer w30: U22.19@2818.89,4230 2883.09,4230 2983.09,4330 v2(2983.09,6200.92)
U2_P3: J2.7 U22.20 | length 2909.3
  Top Layer w30: v2(3092.14,6200.92) J2.7@3092.14,6883.19
  Bottom Layer w30: U22.20@2818.89,4130 2892.14,4130 3092.14,4330 v2(3092.14,6200.92)
U2_P4: J2.6 U22.36 | length 1742
  Top Layer w30: v2@3202.39,6200.92 J2.6@3202.39,6885
  Bottom Layer w30: v2(3201.2,6200.92) 3201.2,6023.8 3595,5630 U22.36@3918.89,5630
U2_P5: J2.5 U22.37 | length 1595.9
  Top Layer w30: v2(3310.25,6200.92) J2.5@3310.25,6883.19 J2.5@3315,6878.44
  Bottom Layer w30: v2(3310.25,6200.92) 3310.25,6024.75 3605,5730 U22.37@3918.89,5730
U2_P6: J2.4 U22.4 | length 1581.2
  Top Layer w30: U22.4@2818.89,5730 2870,5730 3125,5730 3419.31,6024.31 J2.4@3419.31,6883.19
U2_P7: J2.3 U22.5 | length 1729.3
  Top Layer w30: U22.5@2818.89,5630 2870,5630 3130,5630 3528.36,6028.36 J2.3@3528.36,6883.19
U2_P8: J2.2 U22.6 | length 1880.3
  Top Layer w30: U22.6@2818.89,5530 2870,5530 3140,5530 3637.42,6027.42 J2.2@3637.42,6883.19
U2_P9: J2.1 U22.7 | length 2028.4
  Top Layer w30: U22.7@2818.89,5430 2870,5430 3145,5430 3746.47,6031.47 J2.1@3746.47,6883.19
U2_RX: R6.1 U2.1 U22.10 | length 493.1
  Top Layer w10: R6.1@2630,4860 2680,4860 2690,4870 2690,5100 ; U2.1@2632.36,5100 2690,5100 ; U22.10@2818.89,5130 2730,5130 2700,5100 2690,5100
U2_TX: R4.1 U2.4 U22.9 | length 292
  Top Layer w10: R4.1@2627.11,5345 2627.11,5255.25 U2.4@2632.36,5250 2705,5250 2725,5230 U22.9@2818.89,5230
U3_P1: J3.9 U23.18 | length 3664.1
  Top Layer w30: U23.18@4642.78,4330 5445,4330 5655,4540 5655,6945 5605,6995 J3.9@5515.83,6995
U3_P2: J3.8 U23.19 | length 2757.7
  Top Layer w30: v2(4806.98,6200.92) J3.8@4806.98,6883.19
  Bottom Layer w30: U23.19@4642.78,4230 4705,4230 4806.98,4331.98 v2(4806.98,6200.92)
U3_P3: J3.7 U23.20 | length 2908.7
  Top Layer w30: v2(4916.03,6200.92) J3.7@4916.03,6883.19
  Bottom Layer w30: U23.20@4642.78,4130 4715,4130 4916.03,4331.03 v2(4916.03,6200.92)
U3_P4: J3.6 U23.36 | length 1736.7
  Top Layer w30: v2@5025.09,6200.92 J3.6@5025.09,6883.19
  Bottom Layer w30: v2(5025,6200.92) 5025,6030 5425,5630 U23.36@5742.78,5630
U3_P5: J3.5 U23.37 | length 1585.6
  Top Layer w30: v2(5134.14,6200.92) J3.5@5134.14,6883.19
  Bottom Layer w30: v2(5134.14,6200.92) 5134.14,6030.86 5435,5730 U23.37@5742.78,5730
U3_P6: J3.4 U23.4 | length 1578.9
  Top Layer w30: U23.4@4642.78,5730 4945,5730 5243.2,6028.2 J3.4@5243.2,6883.19
U3_P7: J3.3 U23.5 | length 1730
  Top Layer w30: U23.5@4642.78,5630 4955,5630 5352.25,6027.25 J3.3@5352.25,6883.19
U3_P8: J3.2 U23.6 | length 1878.1
  Top Layer w30: U23.6@4642.78,5530 4960,5530 5461.31,6031.31 J3.2@5461.31,6883.19
U3_P9: J3.1 U23.7 | length 2029.1
  Top Layer w30: U23.7@4642.78,5430 4970,5430 5570.36,6030.36 J3.1@5570.36,6883.19
U3_RX: R9.1 U3.1 U23.10 | length 494.9
  Top Layer w10: R9.1@4452.11,4860 4505,4860 4515,4870 4515,5100 ; U3.1@4457.36,5100 4515,5100 ; U23.10@4642.78,5130 4555,5130 4525,5100 4515,5100
U3_TX: R7.1 U3.4 U23.9 | length 290.9
  Top Layer w10: R7.1@4452.11,5345 4452.11,5255.25 4457.36,5250 4530,5250 4550,5230 U23.9@4642.78,5230
U4_P1: J4.9 U24.18 | length 3661.6
  Top Layer w30: U24.18@6466.67,4330 7270,4330 7475,4535 7475,6949 7429,6995 J4.9@7339.72,6995
U4_P2: J4.8 U24.19 | length 2762.4
  Top Layer w30: v2(6630.86,6200.92) J4.8@6630.86,6883.19
  Bottom Layer w30: U24.19@6466.67,4230 6471.67,4225 6525,4225 6630.86,4330.86 v2(6630.86,6200.92)
U4_P3: J4.7 U24.20 | length 2909.3
  Top Layer w30: v2(6739.92,6200.92) J4.7@6739.92,6883.19
  Bottom Layer w30: U24.20@6466.67,4130 6540,4130 6739.92,4329.92 v2(6739.92,6200.92)
U4_P4: J4.6 U24.36 | length 1738.9
  Top Layer w30: v2(6849,6200.92) J4.6@6848.97,6883.19
  Bottom Layer w30: v2(6849,6200.92) 6849,6026 7245,5630 U24.36@7566.67,5630
U4_P5: J4.5 U24.37 | length 1589.6
  Top Layer w30: v2(6958.03,6200.92) J4.5@6958.03,6883.19
  Bottom Layer w30: v2(6958.03,6200.92) 6958,6024 7252,5730 U24.37@7566.67,5730
U4_P6: J4.4 U24.4 | length 1579.6
  Top Layer w30: U24.4@6466.67,5730 6770,5730 7067.08,6027.08 J4.4@7067.08,6883.19
U4_P7: J4.3 U24.5 | length 1727.7
  Top Layer w30: U24.5@6466.67,5630 6775,5630 7176.14,6031.14 J4.3@7176.14,6883.19
U4_P8: J4.2 U24.6 | length 1875.8
  Top Layer w30: U24.6@6466.67,5530 6780,5530 7280,6030 7280,6877.99 J4.2@7285.19,6883.19
U4_P9: J4.1 U24.7 | length 2029.7
  Top Layer w30: U24.7@6466.67,5430 6795,5430 7394.25,6029.25 J4.1@7394.25,6883.19
U4_RX: R12.1 U4.1 U24.10 | length 495
  Top Layer w10: R12.1@6280,4860.04 6335.04,4860.04 6355,4880 6355,5100 ; U4.1@6287.36,5100 6355,5100 ; U24.10@6466.67,5130 6395,5130 6365,5100 6355,5100
U4_TX: R10.1 U4.4 U24.9 | length 285.6
  Top Layer w10: R10.1@6280,5344.96 6280,5257.36 6287.36,5250 6370,5250 6390,5230 U24.9@6466.67,5230
U5_P1: J5.9 U25.18 | length 3657.3
  Top Layer w30: U25.18@8290.56,4330 9090,4330 9295,4535 9295,6955 9255,6995 J5.9@9163.61,6995
U5_P2: J5.8 U25.19 | length 2759
  Top Layer w30: v2(8454.75,6200.92) J5.8@8454.75,6883.19
  Bottom Layer w30: U25.19@8290.56,4230 8355,4230 8454.75,4329.75 v2(8454.75,6200.92)
U5_P3: J5.7 U25.20 | length 2908.6
  Top Layer w30: v2(8563.81,6200.92) J5.7@8563.81,6883.19
  Bottom Layer w30: U25.20@8290.56,4130 8292.94,4132.38 8365,4132.38 8563.81,4331.19 v2(8563.81,6200.92)
U5_P4: J5.6 U25.36 | length 1738.2
  Top Layer w30: v2(8672.86,6200.92) J5.6@8672.86,6883.19
  Bottom Layer w30: v2(8672.86,6200.92) 8672.86,6027.14 9070,5630 U25.36@9390.56,5630
U5_P5: J5.5 U25.37 | length 1587.2
  Top Layer w30: v2(8781.92,6200.92) J5.5@8781.92,6883.19
  Bottom Layer w30: v2(8781.92,6200.92) 8781.92,6028.08 9080,5730 U25.37@9390.56,5730
U5_P6: J5.4 U25.4 | length 1580.2
  Top Layer w30: U25.4@8290.56,5730 8595,5730 8890.97,6025.97 J5.4@8890.97,6883.19
U5_P7: J5.3 U25.5 | length 1728.3
  Top Layer w30: U25.5@8290.56,5630 8600,5630 9000.03,6030.03 J5.3@9000.03,6883.19
U5_P8: J5.2 U25.6 | length 1879.4
  Top Layer w30: U25.6@8290.56,5530 8610,5530 9109.08,6029.08 J5.2@9109.08,6883.19
U5_P9: J5.1 U25.7 | length 2030.4
  Top Layer w30: U25.7@8290.56,5430 8620,5430 9218.14,6028.14 J5.1@9218.14,6883.19
U5_RX: R15.1 U5.1 U25.10 | length 525.7
  Top Layer w10: R15.1@8072.11,4860.04 8129.96,4860.04 8145,4875.08 8145,5100 ; U5.1@8081.36,5100 8145,5100 ; U25.10@8290.56,5130 8190,5130 8160,5100 8145,5100
U5_TX: R13.1 U5.4 U25.9 | length 310.8
  Top Layer w10: R13.1@8076.11,5344.96 8095,5326.07 U5.4@8095,5263.64 ; U5.4@8081.36,5250 U5.4@8097.99,5250 8165,5250 8190,5225 8285.56,5225 U25.9@8290.56,5230
U6_P1: J6.9 U26.18 | length 3656.6
  Top Layer w30: U26.18@10114.44,4330 10920,4330 11120,4530 11120,6945 11070,6995 J6.9@10987.5,6995
U6_P2: J6.8 U26.19 | length 2759.6
  Top Layer w30: v2(10278.64,6200.92) J6.8@10278.64,6883.19
  Bottom Layer w30: U26.19@10114.44,4230 10180,4230 10278.64,4328.64 v2(10278.64,6200.92)
U6_P3: J6.7 U26.20 | length 2907.7
  Top Layer w30: v2(10387.7,6200.92) J6.7@10387.7,6883.19
  Bottom Layer w30: U26.20@10114.44,4130 10185,4130 10387.7,4332.7 v2(10387.7,6200.92)
U6_P4: J6.6 U26.36 | length 1737.6
  Top Layer w30: v2(10496.75,6200.92) J6.6@10496.75,6883.19
  Bottom Layer w30: v2(10496.75,6200.92) 10496.75,6028.25 10895,5630 U26.36@11214.44,5630
U6_P5: J6.5 U26.37 | length 1589.5
  Top Layer w30: v2(10605.81,6200.92) J6.5@10605.81,6883.19
  Bottom Layer w30: v2(10605.81,6200.92) 10605.81,6024.19 10900,5730 U26.37@11214.44,5730
U6_P6: J6.4 U26.4 | length 1578
  Top Layer w30: U26.4@10114.44,5730 10415,5730 10714.86,6029.86 J6.4@10714.86,6883.19
U6_P7: J6.3 U26.5 | length 1731.9
  Top Layer w30: U26.5@10114.44,5630 10430,5630 10823.92,6023.92 J6.3@10823.92,6883.19
U6_P8: J6.2 U26.6 | length 1880
  Top Layer w30: U26.6@10114.44,5530 10435,5530 10932.97,6027.97 J6.2@10932.97,6883.19
U6_P9: J6.1 U26.7 | length 2031
  Top Layer w30: U26.7@10114.44,5430 10445,5430 11042.03,6027.03 J6.1@11042.03,6883.19
U6_RX: R28.1 U6.1 U26.10 | length 539.4
  Top Layer w20: R28.1@9902.11,4845.04 9961.05,4845.04 9972.76,4856.76 9972.76,5097.24 9970,5100 ; U6.1@9907.36,5100 U6.1@9919.86,5100 9970,5100 ; U26.10@10114.44,5130 10020,5130 9990,5100 9970,5100
U6_TX: R26.1 U6.4 U26.9 | length 312.5
  Top Layer w20: R26.1@9902.11,5344.96 9904.74,5342.33 9904.74,5252.63 9907.36,5250 9995,5250 10015,5230 U26.9@10114.44,5230
U7_P1: J7.9 U27.18 | length 3683.5
  Top Layer w30: U27.18@11938.33,4330 12755,4330 12950,4525 12950,6965 12920,6995 J7.9@12811.39,6995
U7_P2: J7.8 U27.19 | length 2754.4
  Top Layer w30: v2(12102.53,6200.92) J7.8@12102.53,6883.19
  Bottom Layer w30: U27.19@11938.33,4230 11943.33,4235 12000,4235 12102.53,4337.53 v2(12102.53,6200.92)
U7_P3: J7.7 U27.20 | length 2905.4
  Top Layer w30: v2(12211.59,6200.92) J7.7@12211.59,6883.19
  Bottom Layer w30: U27.20@11938.33,4130 12005,4130 12211.59,4336.59 v2(12211.59,6200.92)
U7_P4: J7.6 U27.36 | length 1736.9
  Top Layer w30: v2(12320.64,6200.92) J7.6@12320.64,6883.19
  Bottom Layer w30: v2(12320.64,6200.92) 12320.64,6029.36 12720,5630 U27.36@13038.33,5630
U7_P5: J7.5 U27.37 | length 1585.9
  Top Layer w30: v2(12429.7,6200.92) J7.5@12429.7,6883.19
  Bottom Layer w30: v2(12429.7,6200.92) 12429.7,6030.3 12730,5730 U27.37@13038.33,5730
U7_P6: J7.4 U27.4 | length 1578.6
  Top Layer w30: U27.4@11938.33,5730 12240,5730 12538.75,6028.75 J7.4@12538.75,6883.19
U7_P7: J7.3 U27.5 | length 1729.6
  Top Layer w30: U27.5@11938.33,5630 12250,5630 12647.81,6027.81 J7.3@12647.81,6883.19
U7_P8: J7.2 U27.6 | length 1877.7
  Top Layer w30: U27.6@11938.33,5530 12255,5530 12756.86,6031.86 J7.2@12756.86,6883.19
U7_P9: J7.1 U27.7 | length 2031.7
  Top Layer w30: U27.7@11938.33,5430 12270,5430 12865.92,6025.92 J7.1@12865.92,6883.19
U7_RX: R31.1 U7.1 U27.10 | length 538.7
  Top Layer w10: R31.1@11717.11,4845.04 11722.07,4850 11765,4850 11785,4870 11785,5095 11790,5100 ; U7.1@11722.36,5100 U7.1@11741.74,5100 11790,5100 ; U27.10@11938.33,5130 11845,5130 11815,5100 11790,5100
U7_TX: R29.1 U7.4 U27.9 | length 324.3
  Top Layer w10: R29.1@11717.11,5344.96 11717.11,5250.25 11819.75,5250.25 11840,5230 U27.9@11938.33,5230
U8_P1: J8.9 U28.18 | length 3668.1
  Top Layer w30: U28.18@13762.22,4330 14570,4330 14775,4535 14775,6945 14725,6995 J8.9@14635.28,6995
U8_P2: J8.8 U28.19 | length 2758
  Top Layer w30: v2(13926.42,6200.92) J8.8@13926.42,6883.19
  Bottom Layer w30: U28.19@13762.22,4230 13825,4230 13926.42,4331.42 v2(13926.42,6200.92)
U8_P3: J8.7 U28.20 | length 2909
  Top Layer w30: v2(14035.47,6200.92) J8.7@14035.47,6883.19
  Bottom Layer w30: U28.20@13762.22,4130 13835,4130 14035.47,4330.47 v2(14035.47,6200.92)
U8_P4: J8.6 U28.36 | length 1739.2
  Top Layer w30: v2(14144.53,6200.92) J8.6@14144.53,6883.19
  Bottom Layer w30: v2(14144.53,6200.92) 14144.53,6025.47 14540,5630 U28.36@14862.22,5630
U8_P5: J8.5 U28.37 | length 1588.2
  Top Layer w30: v2(14253.58,6200.92) J8.5@14253.58,6883.19
  Bottom Layer w30: v2(14253.58,6200.92) 14253.58,6026.42 14550,5730 U28.37@14862.22,5730
U8_P6: J8.4 U28.4 | length 1579.3
  Top Layer w30: U28.4@13762.22,5730 14065,5730 14362.64,6027.64 J8.4@14362.64,6883.19
U8_P7: J8.3 U28.5 | length 1727.4
  Top Layer w30: U28.5@13762.22,5630 14070,5630 14471.69,6031.69 J8.3@14471.69,6883.19
U8_P8: J8.2 U28.6 | length 1878.4
  Top Layer w30: U28.6@13762.22,5530 14080,5530 14580.75,6030.75 J8.2@14580.75,6883.19
U8_P9: J8.1 U28.7 | length 2029.4
  Top Layer w30: U28.7@13762.22,5430 14090,5430 14689.81,6029.81 J8.1@14689.81,6883.19
U8_RX: R34.1 U8.1 U28.10 | length 535.5
  Top Layer w10: R34.1@13558.36,4841.06 13616.06,4841.06 13635,4860 13635,5100 ; U8.1@13563.61,5100 13635,5100 ; U28.10@13762.22,5130 13690,5130 13660,5100 13635,5100
U8_TX: R32.1 U8.4 U28.9 | length 304
  Top Layer w10: R32.1@13558.36,5344.96 13558.36,5255.25 U8.4@13563.61,5250 13665,5250 13685,5230 U28.9@13762.22,5230
U9_P1: J9.9 U29.18 | length 3661.6
  Top Layer w30: U29.18@15586.11,4330 16400,4330 16600,4530 16600,6925 16536.99,6988.01 16466.16,6988.01 J9.9@16459.17,6995
U9_P2: J9.8 U29.19 | length 2755.7
  Top Layer w30: v2(15750.31,6200.92) J9.8@15750.31,6883.19
  Bottom Layer w30: U29.19@15586.11,4230 15645,4230 15750.31,4335.31 v2(15750.31,6200.92)
U9_P3: J9.7 U29.20 | length 2908.9
  Top Layer w30: v2(15859.36,6200.92) J9.7@15859.36,6883.19
  Bottom Layer w30: U29.20@15586.11,4130 15658.73,4130 15859.36,4330.64 v2(15859.36,6200.92)
U9_P4: J9.6 U29.36 | length 1738.6
  Top Layer w30: v2(15968.42,6200.92) J9.6@15968.42,6883.19
  Bottom Layer w30: v2(15968.42,6200.92) 15968.42,6026.58 16365,5630 U29.36@16686.11,5630
U9_P5: J9.5 U29.37 | length 1587.5
  Top Layer w30: v2(16077.47,6200.92) J9.5@16077.47,6883.19
  Bottom Layer w30: v2(16077.47,6200.92) 16077.47,6027.53 16375,5730 U29.37@16686.11,5730
U9_P6: J9.4 U29.4 | length 1577
  Top Layer w30: U29.4@15586.11,5730 15885,5730 16186.53,6031.53 J9.4@16186.53,6883.19
U9_P7: J9.3 U29.5 | length 1728
  Top Layer w30: U29.5@15586.11,5630 15895,5630 16295.58,6030.58 J9.3@16295.58,6883.19
U9_P8: J9.2 U29.6 | length 1879
  Top Layer w30: U29.6@15586.11,5530 15905,5530 16404.64,6029.64 J9.2@16404.64,6883.19
U9_P9: J9.1 U29.7 | length 2021.3
  Top Layer w30: U29.7@15586.11,5430 15900,5430 16500,6030 16500,6869.49 J9.1@16513.69,6883.19
U9_RX: R37.1 U9.1 U29.10 | length 528.6
  Top Layer w10: R37.1@15380.24,4846.06 15436.06,4846.06 15450,4860 15450,5100 ; U9.1@15385.49,5100 15450,5100 ; U29.10@15586.11,5130 15505,5130 15475,5100 15450,5100
U9_TX: R35.1 U9.4 U29.9 | length 306
  Top Layer w10: R35.1@15380.24,5344.96 15380.24,5255.25 U9.4@15385.49,5250 15480,5250 15500,5230 U29.9@15586.11,5230
U10_P1: J10.9 U30.18 | length 3681.4
  Top Layer w30: U30.18@17410,4330 18220,4330 18425,4535 18425,6960 18390,6995 J10.9@18283.06,6995
U10_P2: J10.8 U30.19 | length 2758.3
  Top Layer w30: v2(17574.2,6200.92) J10.8@17574.2,6883.19
  Bottom Layer w30: U30.19@17410,4230 17473.39,4230 17574.2,4330.8 v2(17574.2,6200.92)
U10_P3: J10.7 U30.20 | length 2907.4
  Top Layer w30: v2(17683.25,6200.92) J10.7@17683.25,6883.19
  Bottom Layer w30: U30.20@17410,4130 17480,4130 17683.25,4333.25 v2(17683.25,6200.92)
U10_P4: J10.6 U30.36 | length 1740.8
  Top Layer w30: v2(17792.31,6200.92) J10.6@17792.31,6883.19
  Bottom Layer w30: v2(17792.31,6200.92) 17792.31,6022.69 18185,5630 U30.36@18510,5630
U10_P5: J10.5 U30.37 | length 1589.8
  Top Layer w30: v2(17901.36,6200.92) J10.5@17901.36,6883.19
  Bottom Layer w30: v2(17901.36,6200.92) 17901.36,6023.64 18195,5730 U30.37@18510,5730
U10_P6: J10.4 U30.4 | length 1577.6
  Top Layer w30: U30.4@17410,5730 17710,5730 18010.42,6030.42 J10.4@18010.42,6883.19
U10_P7: J10.3 U30.5 | length 1725.7
  Top Layer w30: U30.5@17410,5630 17715,5630 18115,6030 18115,6878.72 J10.3@18119.47,6883.19
U10_P8: J10.2 U30.6 | length 1879.7
  Top Layer w30: U30.6@17410,5530 17730,5530 18228.53,6028.53 J10.2@18228.53,6883.19
U10_P9: J10.1 U30.7 | length 2030.7
  Top Layer w30: U30.7@17410,5430 17740,5430 18337.58,6027.58 J10.1@18337.58,6883.19
U10_RX: R40.1 U10.1 U30.10 | length 522.9
  Top Layer w10: U10.1@17207.36,5100 17285,5100 ; R40.1@17220,4846.06 17266.06,4846.06 17285,4865 17285,5100 ; U30.10@17410,5130 17335,5130 17305,5100 17285,5100
U10_TX: R38.1 U10.4 U30.9 | length 308.1
  Top Layer w10: R38.1@17202.11,5344.96 17202.11,5255.25 U10.4@17207.36,5250 17305,5250 17325,5230 U30.9@17410,5230
U11_P1: J11.9 U31.18 | length 3684.3
  Top Layer w30: J11.9@1221.94,320 1120,320 1085,355 1085,2795 1285,2995 U31.18@2095,2995
U11_P2: J11.8 U31.19 | length 2765.6
  Top Layer w30: J11.8@1932.64,431.81 v2(1932.64,1130.86)
  Bottom Layer w30: v2(1932.64,1130.86) 1932.64,2992.64 2035,3095 U31.19@2095,3095
U11_P3: J11.7 U31.20 | length 2915.4
  Top Layer w30: J11.7@1823.58,431.81 v2(1823.58,1130.86)
  Bottom Layer w30: v2(1823.58,1130.86) 1823.58,2991.42 2027.16,3195 U31.20@2095,3195
U11_P4: J11.6 U31.36 | length 1745.7
  Top Layer w30: J11.6@1714.53,431.81 v2(1714.53,1130.86)
  Bottom Layer w30: U31.36@995,1695 1310,1695 1714.53,1290.47 v2(1714.53,1130.86)
U11_P5: J11.5 U31.37 | length 1594.7
  Top Layer w30: J11.5@1605.47,431.81 v2(1605.47,1130.86)
  Bottom Layer w30: U31.37@995,1595 1300,1595 1605.47,1289.53 v2(1605.47,1130.86)
U11_P6: J11.4 U31.4 | length 1587.6
  Top Layer w30: J11.4@1494.58,431.81 1494.58,1294.58 1795,1595 U31.4@2095,1595
U11_P7: J11.3 U31.5 | length 1735.7
  Top Layer w30: J11.3@1385.53,431.81 1385.53,1290.53 1790,1695 U31.5@2095,1695
U11_P8: J11.2 U31.6 | length 1886.8
  Top Layer w30: J11.2@1276.47,431.81 1276.47,1291.47 1780,1795 U31.6@2095,1795
U11_P9: J11.1 U31.7 | length 2037.8
  Top Layer w30: J11.1@1167.42,431.81 1167.42,1292.42 1770,1895 U31.7@2095,1895
U11_RX: R53.1 U11.1 U31.10 | length 503.5
  Top Layer w10: U31.10@2095,2195 2175,2195 2195,2215 2220,2215 ; U11.1@2282.64,2215 2220,2215 ; R53.1@2285,2469.92 2241.06,2469.92 2220,2448.86 2220,2215
U11_TX: R51.1 U11.4 U31.9 | length 288.1
  Top Layer w10: U31.9@2095,2095 2175,2095 2205,2065 U11.4@2282.64,2065 2275,2057.36 R51.1@2275,1980.08
U12_P1: J12.9 U32.18 | length 3658.6
  Top Layer w30: J12.9@3045.83,320 2975,320 2910,385 2910,395 2910,2785 3120,2995 U32.18@3918.89,2995

## Text inside footprints (layer, text, board x,y; h text height)
J20: Top Overlay "8" at 18472.22,458.16 h59.06 r180; Top Overlay "15" at 18518.58,245.92 h59.06 r180; Top Overlay "9" at 17499.54,241.9 h59.06 r180; Top Overlay "1" at 17484.26,463.55 h59.06 r180; Bottom Overlay "1" at 17467.7,463.55 h59.06 r180; Bottom Overlay "9" at 17467.7,241.9 h59.06 r180; Bottom Overlay "15" at 18428.08,248.04 h59.06 r180; Bottom Overlay "8" at 18452.54,458.16 h59.06 r180